# Altium PCB graviton.PcbDoc (part 7 of 15) (continued)
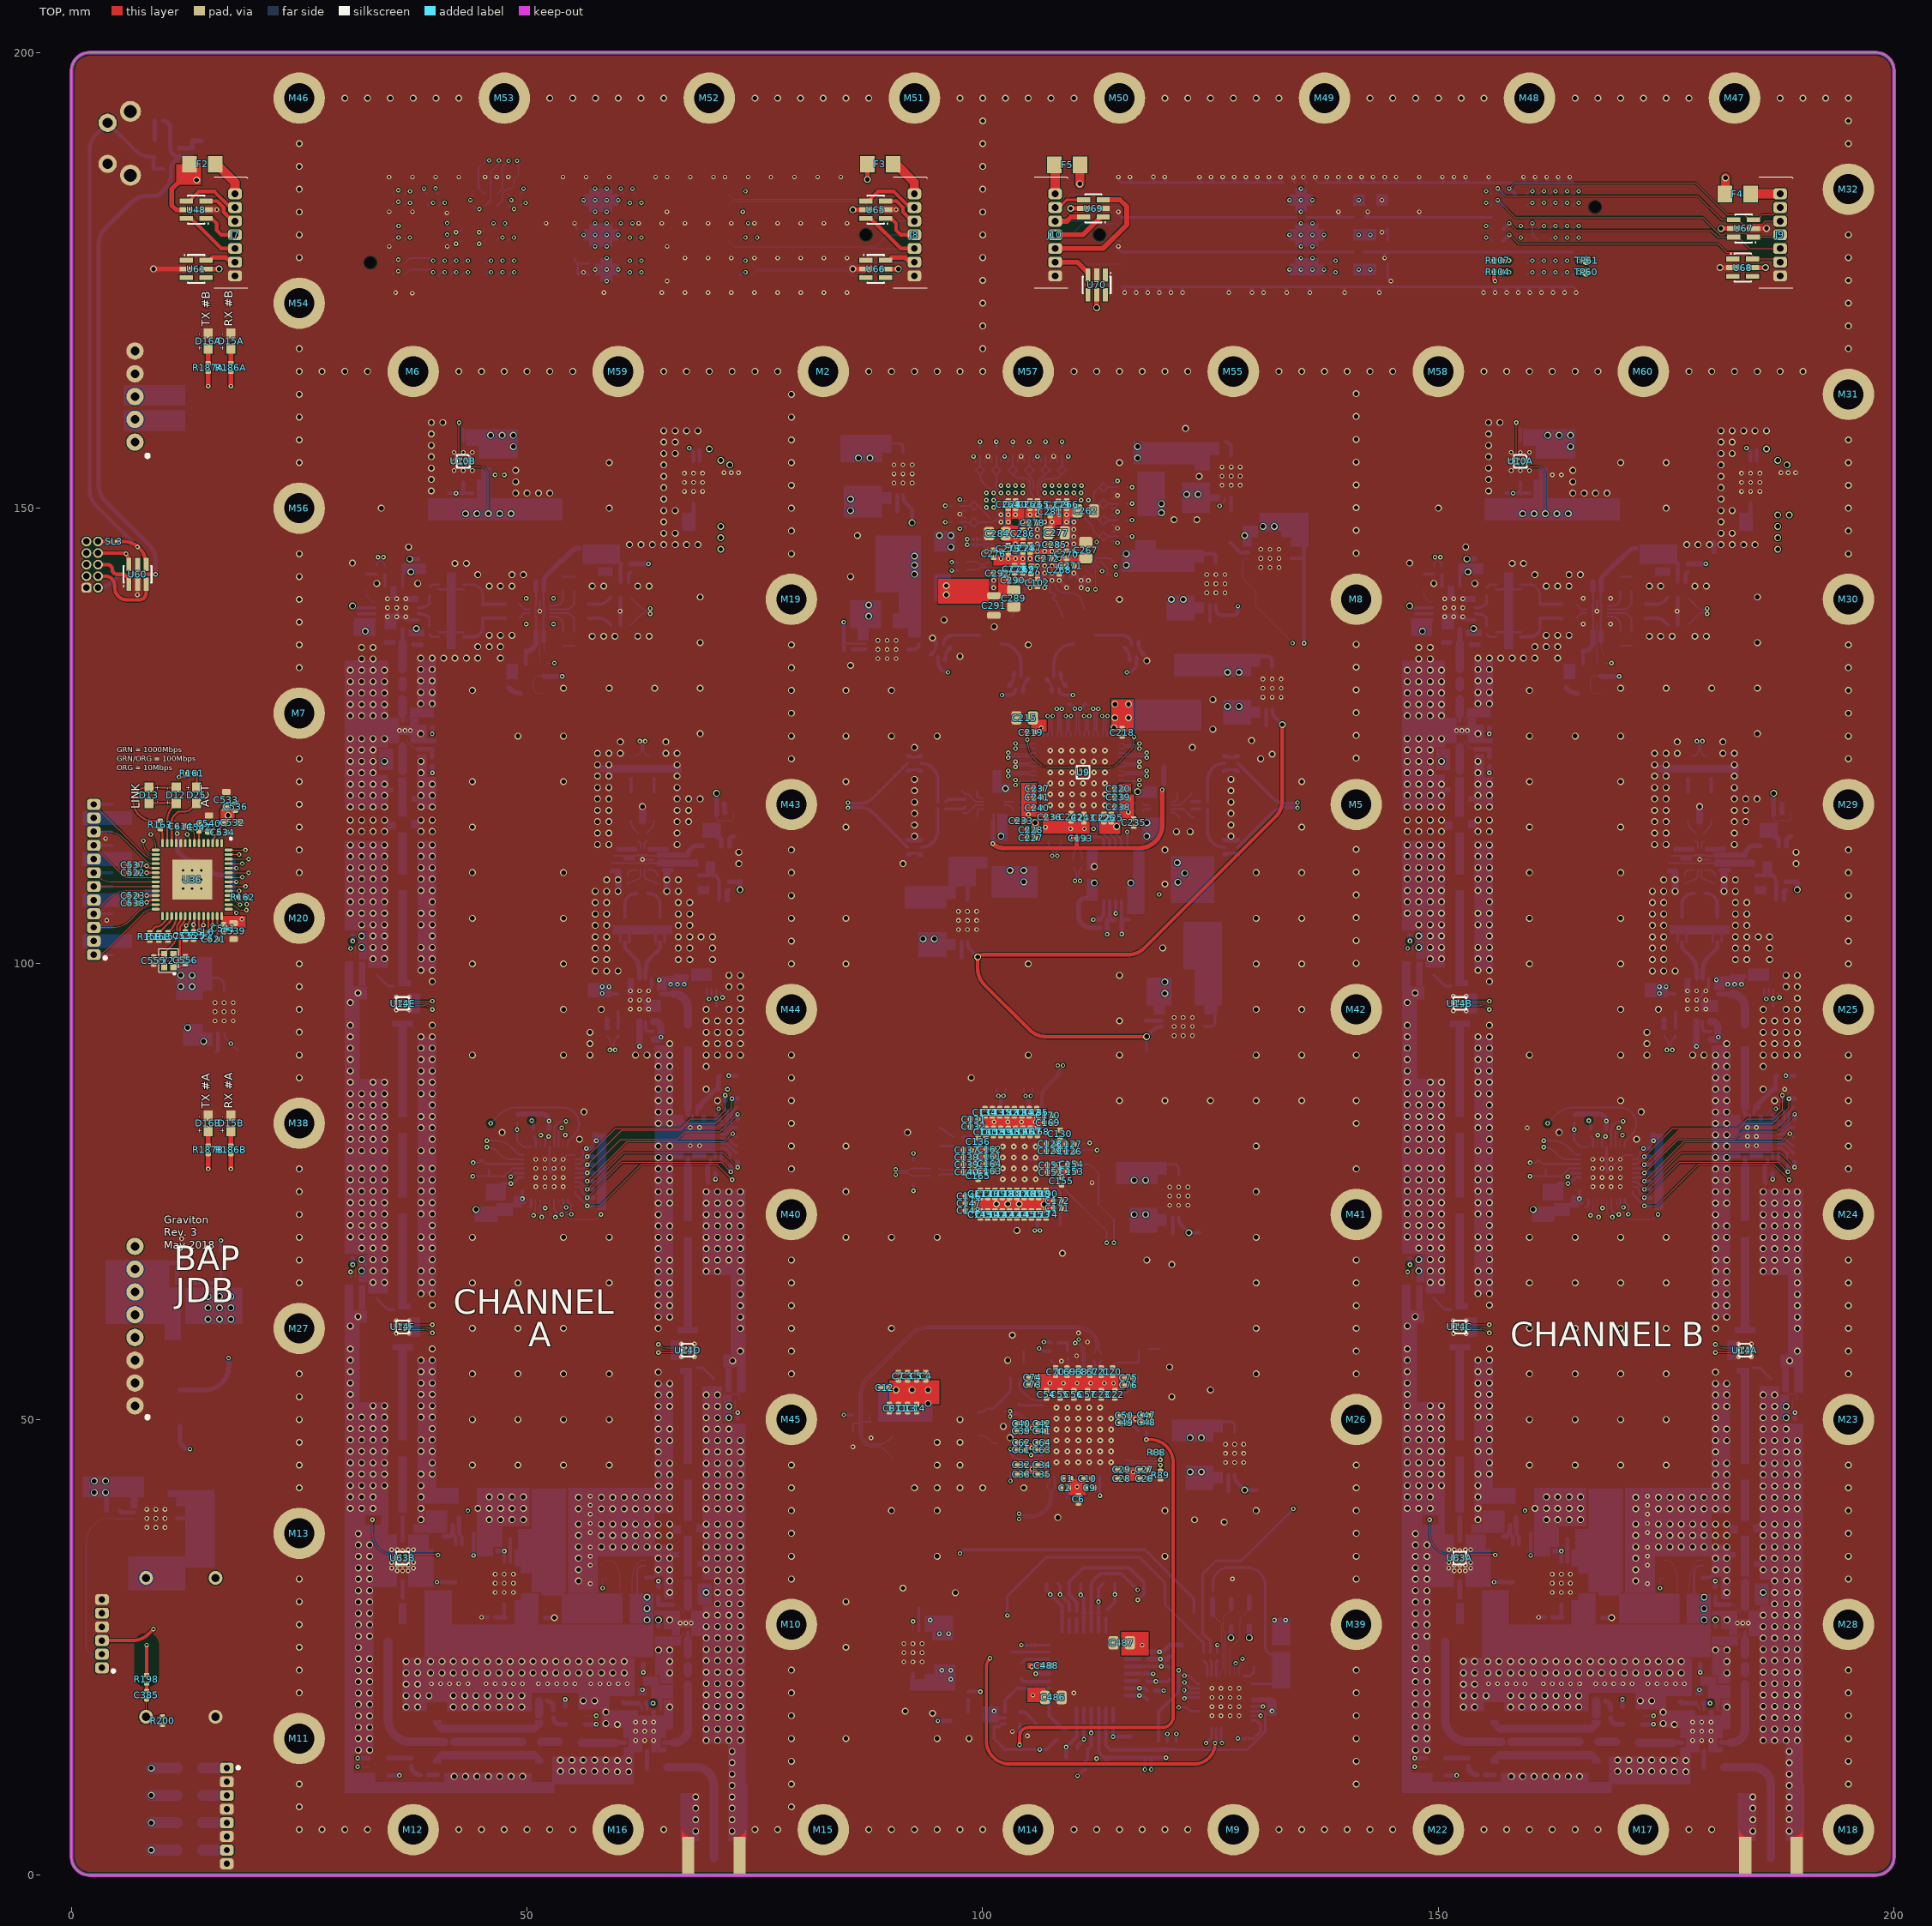
[diagram p0: TOP view]
## Nets (pads, with @x,y where several pads share a name; then routed paths per layer and width w, separated by ;. In a path a pad name is that pad's centre, name@x,y a point inside that pad or via, vN(x,y) a via of type N, cw(c..) or ccw(c..) an arc to the next point about the centre after c; other vN are vias at no path point) (continued)
DAC-LVDS.DAC-D10_2_P: J4.82 U2.D2 | length 78.5
  S1 w0.098: v3(46.05,175.898) 46.05,176.1 46.325,176.375 46.412,176.375 46.537,176.25 46.537,175.037 47.087,174.487 53.995,174.487 58.914,169.568 61.892,169.568 65.524,165.935 65.524,163.828 66.966,162.387 71.043,162.387 76.843,156.587 91.788,156.587 92.111,156.264 ccw(c92.306,156.459) 92.501,156.264 92.806,156.569 cw(c92.85,156.524) 92.895,156.569 ; 92.895,156.569 93.055,156.409 cw(c93.01,156.364) 93.073,156.364 cw(c93.01,156.364) 93.055,156.32 92.75,156.015 ccw(c92.945,155.82) 92.75,155.625 92.91,155.465 ccw(c93.105,155.66) 93.3,155.465 93.868,156.033 cw(c93.913,155.988) 93.957,156.033 ; 93.958,156.033 94.118,155.873 cw(c94.073,155.828) 94.136,155.828 cw(c94.073,155.828) 94.117,155.784 93.55,155.216 ccw(c93.745,155.021) 93.55,154.826 93.709,154.666 ccw(c93.905,154.861) 94.1,154.666 94.667,155.234 cw(c94.712,155.189) 94.756,155.234 94.916,155.074 cw(c94.872,155.029) 94.935,155.029 cw(c94.872,155.029) 94.917,154.985 94.349,154.417 ccw(c94.544,154.222) 94.349,154.026 94.509,153.867 ccw(c94.704,154.062) 94.899,153.867 95.467,154.435 cw(c95.511,154.39) 95.556,154.435 95.716,154.274 cw(c95.671,154.23) 95.734,154.23 cw(c95.671,154.23) 95.716,154.185 95.148,153.617 ccw(c95.343,153.422) 95.148,153.227 95.369,153.006 96.081,153.006 ccw(c96.081,153.268) 96.343,153.268 cw(c96.407,153.268) 96.407,153.331 96.633,153.331 cw(c96.633,153.268) 96.696,153.268 ccw(c96.958,153.268) 96.958,153.006 102.034,153.006 102.403,152.637 102.403,152.067 v2(102.8,151.67)
  BOT w0.159: J4.82@45.395,175.555 45.738,175.898 v3(46.05,175.898) ; v2(102.8,151.67) U2.D2@103.2,151.27
DAC-LVDS.DAC-D11_2_N: J4.63 U2.C1 | length 86.6
  S1 w0.098: v3(43.51,177.168) 43.51,176.803 43.7,176.613 44.013,176.613 44.275,176.351 44.275,175 45.107,174.168 53.863,174.168 58.782,169.249 61.76,169.249 64.412,166.597 64.412,164.49 66.834,162.068 70.911,162.068 76.711,156.269 80.037,156.269 cw(c80.037,155.993) 80.312,155.993 80.312,155.69 ccw(c80.376,155.69) 80.376,155.627 80.602,155.627 ccw(c80.602,155.69) 80.665,155.69 80.665,155.993 cw(c80.941,155.993) 80.941,156.269 81.167,156.269 cw(c81.167,155.993) 81.443,155.993 81.443,155.425 ccw(c81.506,155.425) 81.506,155.361 81.732,155.361 ccw(c81.732,155.425) 81.795,155.425 81.795,155.993 cw(c82.071,155.993) 82.071,156.269 82.297,156.269 cw(c82.297,155.993) 82.573,155.993 82.573,155.425 ccw(c82.636,155.425) 82.636,155.361 82.862,155.361 ccw(c82.862,155.425) 82.925,155.425 82.925,155.993 cw(c83.201,155.993) 83.201,156.269 83.427,156.269 cw(c83.427,155.993) 83.703,155.993 83.703,155.425 ccw(c83.767,155.425) 83.767,155.361 83.993,155.361 ccw(c83.993,155.425) 84.056,155.425 84.056,155.993 cw(c84.332,155.993) 84.332,156.269 84.558,156.269 cw(c84.558,155.993) 84.834,155.993 84.834,155.425 ccw(c84.897,155.425) 84.897,155.361 85.123,155.361 ccw(c85.123,155.425) 85.186,155.425 85.186,155.993 cw(c85.462,155.993) 85.462,156.269 88.122,156.269 cw(c88.122,155.993) 88.398,155.993 88.398,154.3 ccw(c88.461,154.3) 88.461,154.237 88.687,154.237 ccw(c88.687,154.3) 88.75,154.3 88.75,155.993 cw(c89.026,155.993) 89.026,156.269 89.252,156.269 cw(c89.252,155.993) 89.528,155.993 89.528,155.278 ccw(c89.592,155.278) 89.592,155.215 89.818,155.215 ccw(c89.818,155.278) 89.881,155.278 89.881,155.993 cw(c90.157,155.993) 90.157,156.269 90.383,156.269 cw(c90.383,155.993) 90.659,155.993 90.659,155.366 ccw(c90.722,155.366) 90.722,155.303 90.948,155.303 ccw(c90.948,155.366) 91.011,155.366 91.011,155.993 cw(c91.287,155.993) 91.287,156.269 91.656,156.269 95.237,152.688 101.782,152.688 v2(102,152.47)
  BOT w0.159: J4.63@42.855,176.825 43.198,177.168 v3(43.51,177.168) ; v2(102,152.47) U2.C1@102.4,152.07
DAC-LVDS.DAC-D11_2_P: J4.62 U2.C2 | length 86.8
  S1 w0.098: v3(43.51,175.898) 43.51,176.21 43.7,176.4 43.925,176.4 44.062,176.263 44.062,174.912 45.018,173.956 53.775,173.956 58.694,169.037 61.672,169.037 64.2,166.509 64.2,164.402 66.746,161.856 70.823,161.856 76.623,156.056 80.037,156.056 cw(c80.037,155.993) 80.1,155.993 80.1,155.69 ccw(c80.376,155.69) 80.376,155.414 80.602,155.414 ccw(c80.602,155.69) 80.878,155.69 80.878,155.993 cw(c80.941,155.993) 80.941,156.056 81.167,156.056 cw(c81.167,155.993) 81.23,155.993 81.23,155.425 ccw(c81.506,155.425) 81.506,155.149 81.732,155.149 ccw(c81.732,155.425) 82.008,155.425 82.008,155.993 cw(c82.071,155.993) 82.071,156.056 82.297,156.056 cw(c82.297,155.993) 82.36,155.993 82.36,155.425 ccw(c82.636,155.425) 82.636,155.149 82.862,155.149 ccw(c82.862,155.425) 83.138,155.425 83.138,155.993 cw(c83.201,155.993) 83.201,156.056 83.427,156.056 cw(c83.427,155.993) 83.491,155.993 83.491,155.425 ccw(c83.767,155.425) 83.767,155.149 83.993,155.149 ccw(c83.993,155.425) 84.268,155.425 84.268,155.993 cw(c84.332,155.993) 84.332,156.056 84.558,156.056 cw(c84.558,155.993) 84.621,155.993 84.621,155.425 ccw(c84.897,155.425) 84.897,155.149 85.123,155.149 ccw(c85.123,155.425) 85.399,155.425 85.399,155.993 cw(c85.462,155.993) 85.462,156.056 88.122,156.056 cw(c88.122,155.993) 88.185,155.993 88.185,154.3 ccw(c88.461,154.3) 88.461,154.024 88.687,154.024 ccw(c88.687,154.3) 88.963,154.3 88.963,155.993 cw(c89.026,155.993) 89.026,156.056 89.252,156.056 cw(c89.252,155.993) 89.316,155.993 89.316,155.278 ccw(c89.592,155.278) 89.592,155.002 89.818,155.002 ccw(c89.818,155.278) 90.093,155.278 90.093,155.993 cw(c90.157,155.993) 90.157,156.056 90.383,156.056 cw(c90.383,155.993) 90.446,155.993 90.446,155.366 ccw(c90.722,155.366) 90.722,155.09 90.948,155.09 ccw(c90.948,155.366) 91.224,155.366 91.224,155.993 cw(c91.287,155.993) 91.287,156.056 91.568,156.056 95.149,152.475 101.195,152.475 v2(102,151.67)
  BOT w0.159: J4.62@42.855,175.555 43.198,175.898 v3(43.51,175.898) ; v2(102,151.67) U2.C2@102.4,151.27
DAC-LVDS.DAC-D12_2_N: J4.96 R216.2 | length 93.3
  S1 w0.098: v3(46.322,181.27) 46.742,181.27 46.742,181.276 47.324,181.858 48.917,181.858 51.337,179.438 59.638,179.438 60.725,178.351 60.725,175.542 68.092,168.175 68.342,168.175 cw(c68.342,167.899) 68.618,167.899 68.618,167.676 ccw(c68.681,167.676) 68.681,167.613 68.907,167.613 ccw(c68.907,167.676) 68.97,167.676 68.97,167.899 cw(c69.246,167.899) 69.246,168.175 69.472,168.175 cw(c69.472,167.899) 69.748,167.899 69.748,166.862 ccw(c69.811,166.862) 69.811,166.799 70.037,166.799 ccw(c70.037,166.862) 70.1,166.862 70.1,167.899 cw(c70.376,167.899) 70.376,168.175 70.602,168.175 cw(c70.602,167.899) 70.878,167.899 70.878,166.862 ccw(c70.942,166.862) 70.942,166.799 71.168,166.799 ccw(c71.168,166.862) 71.231,166.862 71.231,167.899 cw(c71.507,167.899) 71.507,168.175 71.733,168.175 cw(c71.733,167.899) 72.009,167.899 72.009,166.862 ccw(c72.072,166.862) 72.072,166.799 72.298,166.799 ccw(c72.298,166.862) 72.361,166.862 72.361,167.899 cw(c72.637,167.899) 72.637,168.175 73.326,168.175 73.833,167.668 ccw(c73.877,167.713) 73.922,167.668 74.348,168.094 cw(c74.543,167.899) 74.738,168.094 74.898,167.935 ; 74.898,167.935 cw(c74.703,167.74) 74.979,167.74 cw(c74.703,167.74) 74.898,167.544 73.368,166.015 ccw(c73.413,165.97) 73.368,165.925 73.528,165.765 ccw(c73.573,165.81) 73.617,165.765 74.601,166.749 75.706,167.854 cw(c75.901,167.659) 76.096,167.854 76.256,167.694 cw(c76.061,167.499) 76.337,167.499 cw(c76.061,167.499) 76.256,167.304 75.151,166.199 74.943,165.991 ccw(c74.988,165.946) 74.943,165.902 75.103,165.742 ccw(c75.148,165.786) 75.192,165.742 75.281,165.83 cw(c75.476,165.635) 75.671,165.83 75.9,165.601 75.9,164 76.13,163.77 ccw(c76.175,163.815) 76.219,163.77 76.935,164.486 cw(c77.13,164.291) 77.325,164.486 77.485,164.326 cw(c77.29,164.131) 77.566,164.131 cw(c77.29,164.131) 77.485,163.936 76.65,163.1 76.466,162.916 ccw(c76.511,162.872) 76.466,162.827 76.626,162.667 ccw(c76.67,162.712) 76.715,162.667 ; 76.715,162.667 76.898,162.851 ; 76.899,162.851 78.054,164.006 cw(c78.249,163.811) 78.444,164.006 78.604,163.846 cw(c78.409,163.651) 78.684,163.651 cw(c78.409,163.651) 78.604,163.456 77.569,162.421 ccw(c77.613,162.376) 77.569,162.331 78.101,161.799 79.745,161.799 81.558,159.987 99.183,159.987 100.706,158.463 100.706,158.094 v2(101.5,157.3)
  BOT w0.159: v3(46.322,181.27) 46.322,180.978 J4.96@46.665,180.635
  BOT w0.178: R216.2@101.5,156.645 v2(101.5,157.3)
DAC-LVDS.DAC-D12_2_P: J4.95 R213.2 | length 93.8
  S1 w0.098: v3(47.3,179.708) 47.1,179.908 47.1,181.332 47.412,181.645 48.829,181.645 51.249,179.225 59.55,179.225 60.512,178.263 60.512,175.454 68.004,167.963 68.342,167.962 cw(c68.342,167.899) 68.405,167.899 68.405,167.676 ccw(c68.681,167.676) 68.681,167.4 68.907,167.4 ccw(c68.907,167.676) 69.183,167.676 69.183,167.899 cw(c69.246,167.899) 69.246,167.962 69.472,167.962 cw(c69.472,167.899) 69.535,167.899 69.535,166.862 ccw(c69.811,166.862) 69.811,166.586 70.037,166.586 ccw(c70.037,166.862) 70.313,166.862 70.313,167.899 cw(c70.376,167.899) 70.376,167.962 70.602,167.962 cw(c70.602,167.899) 70.666,167.899 70.666,166.862 ccw(c70.942,166.862) 70.942,166.586 71.168,166.586 ccw(c71.168,166.862) 71.443,166.862 71.443,167.899 cw(c71.507,167.899) 71.507,167.962 71.733,167.962 cw(c71.733,167.899) 71.796,167.899 71.796,166.862 ccw(c72.072,166.862) 72.072,166.586 72.298,166.586 ccw(c72.298,166.862) 72.574,166.862 72.574,167.899 cw(c72.637,167.899) 72.637,167.962 73.238,167.963 73.682,167.518 ccw(c73.877,167.713) 74.072,167.518 74.499,167.944 ; 73.218,166.165 ccw(c73.413,165.97) 73.218,165.775 73.378,165.615 ccw(c73.573,165.81) 73.768,165.615 74.752,166.598 75.856,167.703 cw(c75.901,167.659) 75.945,167.703 76.106,167.543 cw(c76.061,167.499) 76.124,167.499 cw(c76.061,167.499) 76.106,167.454 75.001,166.349 74.793,166.141 ccw(c74.988,165.946) 74.793,165.751 74.953,165.591 ccw(c75.148,165.786) 75.343,165.591 75.431,165.68 cw(c75.476,165.635) 75.52,165.68 75.687,165.513 75.687,163.912 75.98,163.62 ccw(c76.175,163.815) 76.37,163.62 77.085,164.335 cw(c77.13,164.291) 77.175,164.335 77.335,164.175 cw(c77.29,164.131) 77.353,164.131 cw(c77.29,164.131) 77.335,164.086 76.499,163.251 76.316,163.067 ccw(c76.511,162.872) 76.316,162.677 76.475,162.517 ccw(c76.67,162.712) 76.866,162.517 77.049,162.7 78.204,163.856 cw(c78.249,163.811) 78.293,163.856 78.453,163.696 cw(c78.409,163.651) 78.472,163.651 cw(c78.409,163.651) 78.453,163.606 77.418,162.571 ccw(c77.613,162.376) 77.418,162.181 78.013,161.587 79.657,161.587 81.469,159.774 99.094,159.774 100.494,158.375 100.494,158.094 v2(99.7,157.3) ; 73.218,166.165 74.748,167.695 ccw(c74.703,167.74) 74.766,167.74 ccw(c74.703,167.74) 74.748,167.784 ; 74.499,167.944 cw(c74.543,167.899) 74.588,167.944 74.748,167.784
  BOT w0.159: J4.95@46.665,179.365 47.008,179.708 v3(47.3,179.708)
  BOT w0.178: R213.2@99.7,156.645 v2(99.7,157.3)
DAC-LVDS.DAC-D13_2_N: J4.53 U2.B2 | length 73.6
  S1 w0.098: v3(42.24,177.168) 42.24,176.748 42.4,176.588 42.738,176.588 42.95,176.376 42.95,174.25 43.563,173.637 53.643,173.637 58.562,168.718 61.54,168.718 63.881,166.377 63.881,164.27 66.614,161.537 70.691,161.537 76.491,155.738 79.487,155.738 80.395,154.83 84.973,154.83 87.66,152.144 98.206,152.144 98.288,152.062 100.808,152.062 v2(101.2,151.67)
  BOT w0.159: J4.53@41.585,176.825 41.928,177.168 v3(42.24,177.168) ; v2(101.2,151.67) U2.B2@101.6,151.27
DAC-LVDS.DAC-D13_2_P: J4.52 U2.A2 | length 72.6
  S1 w0.098: v3(42.24,175.898) 42.24,176.215 42.4,176.375 42.65,176.375 42.737,176.288 42.737,174.162 43.475,173.425 53.555,173.425 58.474,168.505 61.452,168.505 63.668,166.289 63.668,164.182 66.526,161.325 70.603,161.325 76.403,155.525 79.399,155.525 80.307,154.618 84.885,154.618 87.571,151.931 98.118,151.931 98.379,151.67 v2(100.4,151.67)
  BOT w0.159: J4.52@41.585,175.555 41.928,175.898 v3(42.24,175.898) ; v2(100.4,151.67) U2.A2@100.8,151.27
DAC-LVDS.DAC-D14_2_N: J4.43 U2.B3 | length 75.5
  S1 w0.098: v3(40.97,177.168) 40.97,176.843 41.15,176.663 41.363,176.663 41.65,176.376 41.65,173.775 42.319,173.106 53.423,173.106 58.342,168.187 61.32,168.187 63.35,166.157 63.35,164.05 66.394,161.006 70.471,161.006 77.178,154.299 84.753,154.299 87.44,151.613 97.787,151.613 98.228,151.172 100.148,151.172 100.238,151.262 100.808,151.262 v2(101.2,150.87)
  BOT w0.159: J4.43@40.315,176.825 40.658,177.168 v3(40.97,177.168) ; v2(101.2,150.87) U2.B3@101.6,150.47
DAC-LVDS.DAC-D14_2_P: J4.42 U2.A3 | length 74.6
  S1 w0.098: v3(40.97,175.898) 40.97,176.27 41.15,176.45 41.275,176.45 41.437,176.288 41.437,173.687 42.231,172.893 53.335,172.893 58.254,167.974 61.232,167.974 63.137,166.069 63.137,163.962 66.306,160.793 70.383,160.793 77.09,154.087 84.665,154.087 87.351,151.4 97.699,151.4 98.139,150.96 100.31,150.96 v2(100.4,150.87)
  BOT w0.159: J4.42@40.315,175.555 40.658,175.898 v3(40.97,175.898) ; v2(100.4,150.87) U2.A3@100.8,150.47
DAC-LVDS.DAC-D15_2_N: J4.13 U2.B4 | length 94.9
  S1 w0.098: v3(39.7,177.168) 39.7,176.838 39.85,176.688 40.063,176.688 40.425,176.326 40.425,173.55 41.4,172.575 53.203,172.575 56.799,168.979 56.799,163.728 60.052,160.475 60.777,160.475 ccw(c60.777,160.538) 60.84,160.538 60.84,161.947 cw(c61.116,161.947) 61.116,162.223 61.342,162.223 cw(c61.342,161.947) 61.618,161.947 61.618,160.538 ccw(c61.681,160.538) 61.681,160.475 61.907,160.475 ccw(c61.907,160.538) 61.97,160.538 61.97,162.231 cw(c62.246,162.231) 62.246,162.507 62.472,162.507 cw(c62.472,162.231) 62.748,162.231 62.748,160.538 ccw(c62.811,160.538) 62.811,160.475 63.037,160.475 ccw(c63.037,160.538) 63.1,160.538 63.1,162.231 cw(c63.376,162.231) 63.376,162.507 63.602,162.507 cw(c63.602,162.231) 63.878,162.231 63.878,160.538 ccw(c63.942,160.538) 63.942,160.475 64.168,160.475 ccw(c64.168,160.538) 64.231,160.538 64.231,161.526 cw(c64.507,161.526) 64.507,161.802 64.733,161.802 cw(c64.733,161.526) 65.009,161.526 65.009,160.538 ccw(c65.072,160.538) 65.072,160.475 70.251,160.475 76.958,153.768 84.533,153.768 87.238,151.063 96.137,151.063 96.828,150.372 100.148,150.372 100.238,150.462 100.808,150.462 v2(101.2,150.07)
  BOT w0.159: J4.13@36.505,176.825 37.13,177.45 39.418,177.45 v3(39.7,177.168) ; v2(101.2,150.07) U2.B4@101.6,149.67
DAC-LVDS.DAC-D15_2_P: J4.12 U2.A4 | length 94.1
  S1 w0.098: v3(39.7,175.898) 39.7,176.325 39.85,176.475 39.975,176.475 40.212,176.238 40.212,173.462 41.312,172.362 53.115,172.362 56.587,168.891 56.587,163.64 59.964,160.262 60.777,160.262 ccw(c60.777,160.538) 61.053,160.538 61.053,161.947 cw(c61.116,161.947) 61.116,162.011 61.342,162.011 cw(c61.342,161.947) 61.405,161.947 61.405,160.538 ccw(c61.681,160.538) 61.681,160.262 61.907,160.262 ccw(c61.907,160.538) 62.183,160.538 62.183,162.231 cw(c62.246,162.231) 62.246,162.294 62.472,162.294 cw(c62.472,162.231) 62.535,162.231 62.535,160.538 ccw(c62.811,160.538) 62.811,160.262 63.037,160.262 ccw(c63.037,160.538) 63.313,160.538 63.313,162.231 cw(c63.376,162.231) 63.376,162.294 63.602,162.294 cw(c63.602,162.231) 63.666,162.231 63.666,160.538 ccw(c63.942,160.538) 63.942,160.262 64.168,160.262 ccw(c64.168,160.538) 64.443,160.538 64.443,161.526 cw(c64.507,161.526) 64.507,161.589 64.733,161.589 cw(c64.733,161.526) 64.796,161.526 64.796,160.538 ccw(c65.072,160.538) 65.072,160.262 70.163,160.262 76.87,153.555 84.445,153.555 87.15,150.85 96.049,150.85 96.739,150.16 100.31,150.16 v2(100.4,150.07)
  BOT w0.159: J4.12@36.505,175.555 37.125,176.175 39.423,176.175 v3(39.7,175.898) ; v2(100.4,150.07) U2.A4@100.8,149.67
DAC-LVDS.DAC-DCLK_2_N: J4.86 R204.2 | length 79.6
  S1 w0.098: v3(44.74,180.292) 44.74,180.16 45.175,179.725 45.325,179.725 45.512,179.912 45.512,181.463 46.438,182.389 52.961,182.389 54.712,180.638 62.813,180.638 64,179.451 64,173.225 68.519,168.706 75.994,168.706 78.5,166.201 78.5,164.701 79.737,163.464 79.737,162.559 81.778,160.518 100.383,160.518 102.751,158.15 103.005,158.15 103.855,157.3 v2(105.1,157.3)
  BOT w0.159: v3(44.74,180.292) 45.052,180.292 J4.86@45.395,180.635
  BOT w0.178: R204.2@105.1,156.645 v2(105.1,157.3)
DAC-LVDS.DAC-DCLK_2_P: J4.85 R201.2 | length 77.6
  S1 w0.098: v3(44.74,179.022) 44.74,179.077 45.175,179.512 45.413,179.512 45.725,179.824 45.725,181.375 46.526,182.176 52.873,182.176 54.624,180.425 62.725,180.425 63.787,179.363 63.787,173.137 68.431,168.494 75.906,168.494 78.287,166.113 78.287,164.613 79.524,163.376 79.524,162.471 81.689,160.305 100.295,160.305 v2(103.3,157.3)
  BOT w0.159: v3(44.74,179.022) 45.052,179.022 J4.85@45.395,179.365
  BOT w0.178: R201.2@103.3,156.645 v2(103.3,157.3)
DAC-LVDS.DAC-FRAME_2_N: J4.109 R228.2 | length 80
  S1 w0.098: v3(48.278,183.81) 48.575,183.513 48.962,183.513 49.437,183.038 53.063,183.038 54.163,181.938 65.313,181.938 66.025,181.226 66.025,171.951 68.713,169.263 83.038,169.263 85.8,166.501 85.8,163.6 88.351,161.049 100.603,161.049 102.889,158.763 107.237,158.763 v2(108.7,157.3)
  BOT w0.159: J4.109@47.935,184.445 48.278,184.102 v3(48.278,183.81)
  BOT w0.178: R228.2@108.7,156.645 v2(108.7,157.3)
DAC-LVDS.DAC-FRAME_2_P: J4.108 R225.2 | length 78.1
  S1 w0.098: v3(48.58,182.832) 48.58,183.18 48.7,183.3 48.874,183.3 49.349,182.825 52.975,182.825 54.075,181.725 65.225,181.725 65.812,181.138 65.812,171.863 68.625,169.05 82.95,169.05 85.587,166.413 85.587,163.512 88.263,160.836 100.515,160.836 102.801,158.55 105.65,158.55 v2(106.9,157.3)
  BOT w0.159: J4.108@47.945,183.175 48.288,182.832 v3(48.58,182.832)
  BOT w0.178: R225.2@106.9,156.645 v2(106.9,157.3)
DAC-LVDS.DAC-OSTR_2_N: J4.6 SL2.2 | length 87
  S1 w0.098: v3(35.89,180.978) 36.38,180.488 37.588,180.488 37.975,180.101 37.975,174.275 40.737,171.513 52.763,171.513 55.737,168.539 55.737,163.288 59.612,159.413 69.811,159.413 77.261,151.963 81.387,151.963 84.3,149.05 86.724,149.05 87.656,149.982 92.319,149.982 93.65,148.651 93.65,147.8 96.224,145.226 96.717,145.226 97.991,146.5 98.202,146.5 v2(98.3,146.598)
  BOT w0.159: J4.6@35.235,180.635 35.578,180.978 v3(35.89,180.978)
  BOT w0.178: v2@98.3,146.586 98.627,146.586 cw(c98.661,146.551) 98.661,146.6 SL2.2@98.915,146.6
DAC-LVDS.DAC-OSTR_2_P: J4.5 SL1.2 | length 86.8
  S1 w0.098: v3(35.89,179.708) 36.457,180.275 37.5,180.275 37.762,180.013 37.762,174.187 40.649,171.3 52.675,171.3 55.524,168.451 55.524,163.2 59.524,159.2 69.723,159.2 77.173,151.75 81.299,151.75 84.212,148.837 86.812,148.837 87.744,149.769 92.231,149.769 93.437,148.563 93.437,147.712 96.136,145.013 96.805,145.013 97.794,146.002 v2(98.3,146.002)
  BOT w0.159: J4.5@35.235,179.365 35.578,179.708 v3(35.89,179.708)
  BOT w0.178: v2@98.3,146.014 98.627,146.014 ccw(c98.661,146.049) 98.661,146 SL1.2@98.915,146
DAC-LVDS.DAC-PARITY_2_N: J4.98 R234.2 | length 105.2
  S1 w0.098: v3(48.9,188.125) 49.325,188.55 64.576,188.55 70.287,182.839 70.287,173.312 71.893,171.706 85.064,171.706 88.295,168.475 106.4,168.475 108.062,166.813 108.062,161.517 112.321,157.259 112.321,150.403 114.012,148.712 115.738,148.712 116.4,148.05 v2(116.4,146.9)
  BOT w0.159: J4.98@46.665,183.175 47.275,183.785 47.275,184.542 47.783,185.05 48.25,185.05 48.55,185.35 48.55,186.05 49.075,186.575 49.075,187.925 v3@48.925,188.075
  BOT w0.178: R234.2@115.745,146.9 v2(116.4,146.9)
DAC-LVDS.DAC-PARITY_2_P: J4.99 R231.2 | length 102.9
  S1 w0.098: v3(47.975,188.125) 48.613,188.763 64.664,188.763 70.5,182.927 70.5,173.4 71.982,171.918 85.153,171.918 88.383,168.688 106.488,168.688 108.275,166.901 108.275,161.605 112.534,157.347 112.534,150.491 114.1,148.925 116.075,148.925 116.3,148.7 v2(116.4,148.7)
  BOT w0.159: J4.99@46.665,184.445 47.275,185.055 47.275,187.425 v3(47.975,188.125)
  BOT w0.178: R231.2@115.745,148.7 v2(116.4,148.7)
DAC-LVDS.DAC-SYNC_2_N: J4.56 R210.2 | length 81.4
  S1 w0.098: v3(41.242,181.29) 41.242,180.817 41.138,180.713 39.862,180.713 38.637,179.488 38.637,174.063 40.869,171.831 52.895,171.831 56.055,168.671 56.055,163.42 59.744,159.731 69.943,159.731 76.65,153.024 84.225,153.024 86.949,150.3 92.574,150.3 93.622,149.253 95.106,149.253 v2(95.9,148.459)
  BOT w0.159: v3(41.242,181.29) 41.242,180.978 J4.56@41.585,180.635
  BOT w0.178: v2(95.9,148.459) R210.2@96.555,148.459
DAC-LVDS.DAC-SYNC_2_P: J4.55 R207.2 | length 80.6
  S1 w0.098: v3(41.242,180.02) 41.242,180.383 41.125,180.5 39.95,180.5 38.85,179.4 38.85,174.151 40.957,172.044 52.983,172.044 56.268,168.759 56.268,163.508 59.832,159.944 70.031,159.944 76.738,153.237 84.313,153.237 87.037,150.513 92.662,150.513 93.71,149.465 95.106,149.465 v2(95.9,150.259)
  BOT w0.159: v3(41.242,180.02) 41.242,179.708 J4.55@41.585,179.365
  BOT w0.178: v2(95.9,150.259) R207.2@96.555,150.259
DAC-OSTR_T_27_N: SL2.1 U2.B9 | length 2.3
  BOT w0.178: SL2.1@99.535,146.6 cw(c99.535,145.719) 100.158,146.342 100.22,146.28 ccw(c100.7,146.76) 100.7,146.081 cw(c100.7,144.901) 101.535,145.735 U2.B9@101.6,145.67
DAC-OSTR_T_27_P: SL1.1 U2.A9 | length 1.4
  BOT w0.178: SL1.1@99.535,146 99.959,146 cw(c99.959,145.659) 100.2,145.9 ccw(c100.755,146.455) 100.755,145.67 U2.A9@100.8,145.67
DAC-RST_2: SL25.2 TP51.1 U2.N10 | length 164.8
  S1 w0.098: v2(109.15,14.05) 109.15,24.15 115.1,30.1 115.1,58.4 109.4,64.1 109.4,71.2 113.408,75.208 113.408,99.977 116.3,102.869 116.3,105.1 114.9,106.5 103,106.5 98.602,110.898 98.602,126.554 110.2,138.152 111.024,138.152 113.1,140.228 v3(113.1,143.1)
  BOT w0.159: U2.N10@110.4,144.87 110.795,144.475 111.659,144.475 112.293,143.841 112.359,143.841 v3(113.1,143.1)
  BOT w0.4: TP51.1@109.15,12.9 v2(109.15,14.05) 110.3,15.2 SL25.2@110.3,16.217
DAC-SPI.MISO_2: SL17.2 U2.P12 | length 153.8
  S1 w0.1: v3(111.5,141.1) 111.5,140.758 105.217,134.475 105.2,134.475 97.8,127.075 97.8,110 109.7,98.1 109.7,73.4 101.402,65.102 101.402,33.066 105.067,29.401 105.999,29.401 108,27.4 108,13.8 109.1,12.7 112.4,12.7 v2(112.5,12.8)
  BOT w0.1: U2.P12@111.2,143.27 112.004,142.466 112.004,141.604 v3(111.5,141.1) ; v2(112.5,12.8) ccw(c113.1,12.8) 113.1,12.2 SL17.2@113.6,12.2
DACCLK_T_27_N: C87.1 R18.2 U2.A11 | length 2.8
  BOT w0.178: C87.1@98.209,144.07 cw(c98.317,143.961) 98.317,144.115 R18.2@99.079,144.115 cw(c99.079,143.176) 99.743,143.84 ccw(c99.825,143.922) 99.825,143.806 100.162,143.806 ccw(c100.162,144.01) 100.307,143.866 cw(c100.8,143.373) U2.A11@100.8,144.07
DACCLK_T_27_P: C86.1 R18.1 U2.A12 | length 2.8
  BOT w0.178: C86.1@98.209,143.17 cw(c98.342,143.037) 98.342,143.225 R18.1@99.079,143.225 ccw(c99.079,144.164) 99.743,143.5 cw(c99.825,143.418) 99.825,143.534 100.162,143.534 cw(c100.162,143.33) 100.307,143.474 ccw(c100.8,143.967) U2.A12@100.8,143.27
DCLK_T_27_N: R204.1 R205.1 R206.2 U2.G1 | length 5.7
  BOT w0.159: 105.3,153.3 cw(c104.576,152.576) 105.6,152.576 U2.G1@105.6,152.07
  BOT w0.178: R204.1@105.1,155.755 105.1,154.655 ; 105.3,153.3 105.21,153.39 cw(c105.474,153.655) 105.1,153.655 ; 105.1,153.655 R206.2@105.6,154.155 105.1,154.655 ; 105.1,153.655 R205.1@104.6,154.155 105.1,154.655
DCLK_T_27_P: R201.1 R202.1 R203.2 U2.G2 | length 7.8
  BOT w0.178: R201.1@103.3,155.755 103.3,154.655 ; U2.G2@105.6,151.27 105.504,151.366 cw(c106.238,152.1) 105.2,152.1 105.2,152.617 ccw(c104.517,152.617) 105,153.1 ccw(c104.517,152.617) 104.517,153.3 104.157,153.3 cw(c104.157,154.512) 103.3,153.655 ; 103.3,153.655 R203.2@102.8,154.155 103.3,154.655 ; 103.3,153.655 R202.1@103.8,154.155 103.3,154.655
DEBUG-J4L-0_48: J4.8 J7.3 U48.3 | length 24
  TOP w0.4: U48.3@14.775,183.7 16,183.7 16.7,183 16.7,182.5 17.7,181.5 J7.3@17.95,181.5
  S1 w0.1: J7.3@17.95,181.5 22,181.5 24.133,183.633 v3(35.875,183.633)
  BOT w0.159: J4.8@35.24,183.29 35.583,183.633 v3(35.875,183.633)
DEBUG-J4L-1_48: J4.15 J7.4 U48.1 | length 24.8
  TOP w0.4: U48.1@14.775,181.8 15.4,181.8 15.95,181.25 15.95,180.5 16.45,180 J7.4@17.95,180
  S1 w0.1: J7.4@17.95,180 22.25,180 23,179.25 36.682,179.25 v3(37.14,179.708)
  BOT w0.159: J4.15@36.505,179.365 36.848,179.708 v3(37.14,179.708)
DEBUG-J4L-2_48: J4.3 J7.5 U48.6 | length 25.9
  TOP w0.4: U48.6@12.625,181.8 13.15,181.8 16.45,178.5 J7.5@17.95,178.5
  S1 w0.1: J7.5@17.95,178.5 33.75,178.5 34.967,177.283 v3(35.875,177.283)
  BOT w0.159: J4.3@35.24,176.94 35.583,177.283 v3(35.875,177.283)
DEBUG-J4L-3_48: J4.2 J7.6 U61.6 | length 23
  TOP w0.5: U61.6@14.775,177.2 15.15,177.2 15.45,177.5 16.95,177.5 17.45,177 J7.6@17.95,177
  S1 w0.1: J7.6@17.95,177 23.75,177 25.25,175.5 35.362,175.5 v3(35.875,176.013)
  BOT w0.159: J4.2@35.24,175.67 35.583,176.013 v3(35.875,176.013)
DEBUG-J4L-CLK_48: J4.9 J7.2 U48.4 | length 26
  TOP w0.4: U48.4@12.625,183.7 12.9,183.7 13.95,184.75 15.7,184.75 17.45,183 J7.2@17.95,183
  S1 w0.1: J7.2@17.95,183 21.25,183 22.5,184.25 35.222,184.25 v3(35.875,184.903)
  BOT w0.159: J4.9@35.24,184.56 35.583,184.903 v3(35.875,184.903)
DEBUG-J4R-0_48: J4.298 J8.3 U65.3 | length 25.9
  TOP w0.4: U65.3@89.325,183.7 90.55,183.7 91.25,183 91.25,182.5 92.25,181.5 J8.3@92.5,181.5
  BOT w0.1: J4.298@72.065,183.175 72.59,183.7 86.9,183.7 89.1,181.5 J8.3@92.5,181.5
DEBUG-J4R-1_48: J4.295 J8.4 U65.1 | length 25.6
  TOP w0.4: U65.1@89.325,181.8 89.95,181.8 90.5,181.25 90.5,180.5 91,180 J8.4@92.5,180
  BOT w0.1: J4.295@72.065,179.365 72.73,178.7 88.275,178.7 89.575,180 J8.4@92.5,180
DEBUG-J4R-2_48: J4.313 J8.5 U65.6 | length 25.7
  TOP w0.4: U65.6@87.175,181.8 87.7,181.8 91,178.5 J8.5@92.5,178.5
  BOT w0.1: J4.313@74.605,176.825 74.605,176.82 75.125,176.3 85.05,176.3 87.25,178.5 J8.5@92.5,178.5
DEBUG-J4R-3_48: J4.312 J8.6 U66.6 | length 22.5
  TOP w0.5: U66.6@89.325,177.2 89.7,177.2 90,177.5 91.5,177.5 92,177 J8.6@92.5,177
  BOT w0.1: J4.312@74.605,175.555 75.125,176.075 85.1,176.075 85.675,175.5 86.5,175.5 88,177 J8.6@92.5,177
DEBUG-J4R-CLK_48: J4.299 J8.2 U65.4 | length 27.5
  TOP w0.4: U65.4@87.175,183.7 87.45,183.7 88.5,184.75 90.25,184.75 92,183 J8.2@92.5,183
  BOT w0.1: J4.299@72.065,184.445 72.585,183.925 90.45,183.925 91.375,183 J8.2@92.5,183
DEBUG-J6L-0_47: J6.62 J9.3 U67.4 | length 33.6
  TOP w0.1: v3(156.515,185.085) 157.35,184.25 178.475,184.25 181.075,181.65 U67.4@182.425,181.65 182.875,181.65 183.325,181.2 185.6,181.2 185.9,181.5 J9.3@187.5,181.5
  BOT w0.4: v3(156.515,185.085) J6.62@157.15,184.45
DEBUG-J6L-1_47: J6.63 J9.4 U67.1 | length 34.1
  TOP w0.1: v3(156.51,183.81) 158.42,181.9 179,181.9 180.9,180 181.325,180 181.525,180.2 183.675,180.2 184.125,179.75 U67.1@184.575,179.75 187.25,179.75 J9.4@187.5,180 J9.4@187.3,180.2
  BOT w0.4: v3(156.51,183.81) J6.63@157.145,183.175
DEBUG-J6L-2_47: J6.65 J9.5 U67.6 | length 31.8
  TOP w0.1: v3(157.78,181.27) 158.55,180.5 179.9,180.5 180.65,179.75 U67.6@182.425,179.75 182.875,179.75 184.125,178.5 J9.5@187.5,178.5
  BOT w0.4: J6.65@157.145,180.635 v3(157.78,181.27)
DEBUG-J6L-3_47: J6.66 J9.6 U68.6 | length 32.1
  TOP w0.1: v3(157.78,180) 158.78,179 180.7,179 181.6,178.1 184.1,178.1 184.475,177.725 U68.6@184.475,177.35 187.15,177.35 J9.6@187.5,177
  BOT w0.4: J6.66@157.145,179.365 v3(157.78,180)
DEBUG-J6L-CLK_47: J6.52 J9.2 U67.3 | length 33.1
  TOP w0.1: v3(157.78,185.08) 158.4,185.7 178.2,185.7 181.7,182.2 183.6,182.2 184.15,181.65 U67.3@184.575,181.65 185.025,181.65 185.575,182.2 186.7,182.2 J9.2@187.5,183
  BOT w0.4: v3(157.78,185.08) J6.52@158.415,184.445
DEBUG-J6R-0_47: J6.393 J10.3 U69.6 | length 11.3
  TOP w0.55: J10.3@107.95,181.5 109.25,181.5 109.7,181.95 U69.6@111.075,181.95
  BOT w0.098: J10.3@107.95,181.5 112.5,181.5 114.175,183.175 J6.393@115.235,183.175
DEBUG-J6R-1_47: J6.395 J10.4 U69.1 | length 14.1
  TOP w0.55: J10.4@107.95,180 111,180 112.95,181.95 U69.1@113.225,181.95
  BOT w0.098: J10.4@107.95,180 109.75,180 111,181.25 114.62,181.25 J6.395@115.235,180.635
DEBUG-J6R-2_47: J6.396 J10.5 U69.3 | length 21.5
  TOP w0.55: J10.5@107.95,178.5 113.2,178.5 115.8,181.1 115.8,183.1 115.05,183.85 U69.3@113.225,183.85
  BOT w0.098: J10.5@107.95,178.5 113.25,178.5 114.115,179.365 J6.396@115.235,179.365
DEBUG-J6R-3_47: J6.398 J10.6 U70.3 | length 11.7
  TOP w0.55: J10.6@107.95,177 110.4,177 111.55,175.85 U70.3@111.55,175.575
  BOT w0.098: J10.6@107.95,177 108.125,176.825 J6.398@115.235,176.825
DEBUG-J6R-CLK_47: J6.392 J10.2 U69.4 | length 11.4
  TOP w0.3: J10.2@107.95,183 108.4,183 109.25,183.85 U69.4@111.075,183.85
  BOT w0.098: J10.2@107.95,183 108.25,183 109.695,184.445 J6.392@115.235,184.445